# KiCad board st251n_20603.kicad_pcb (continued)
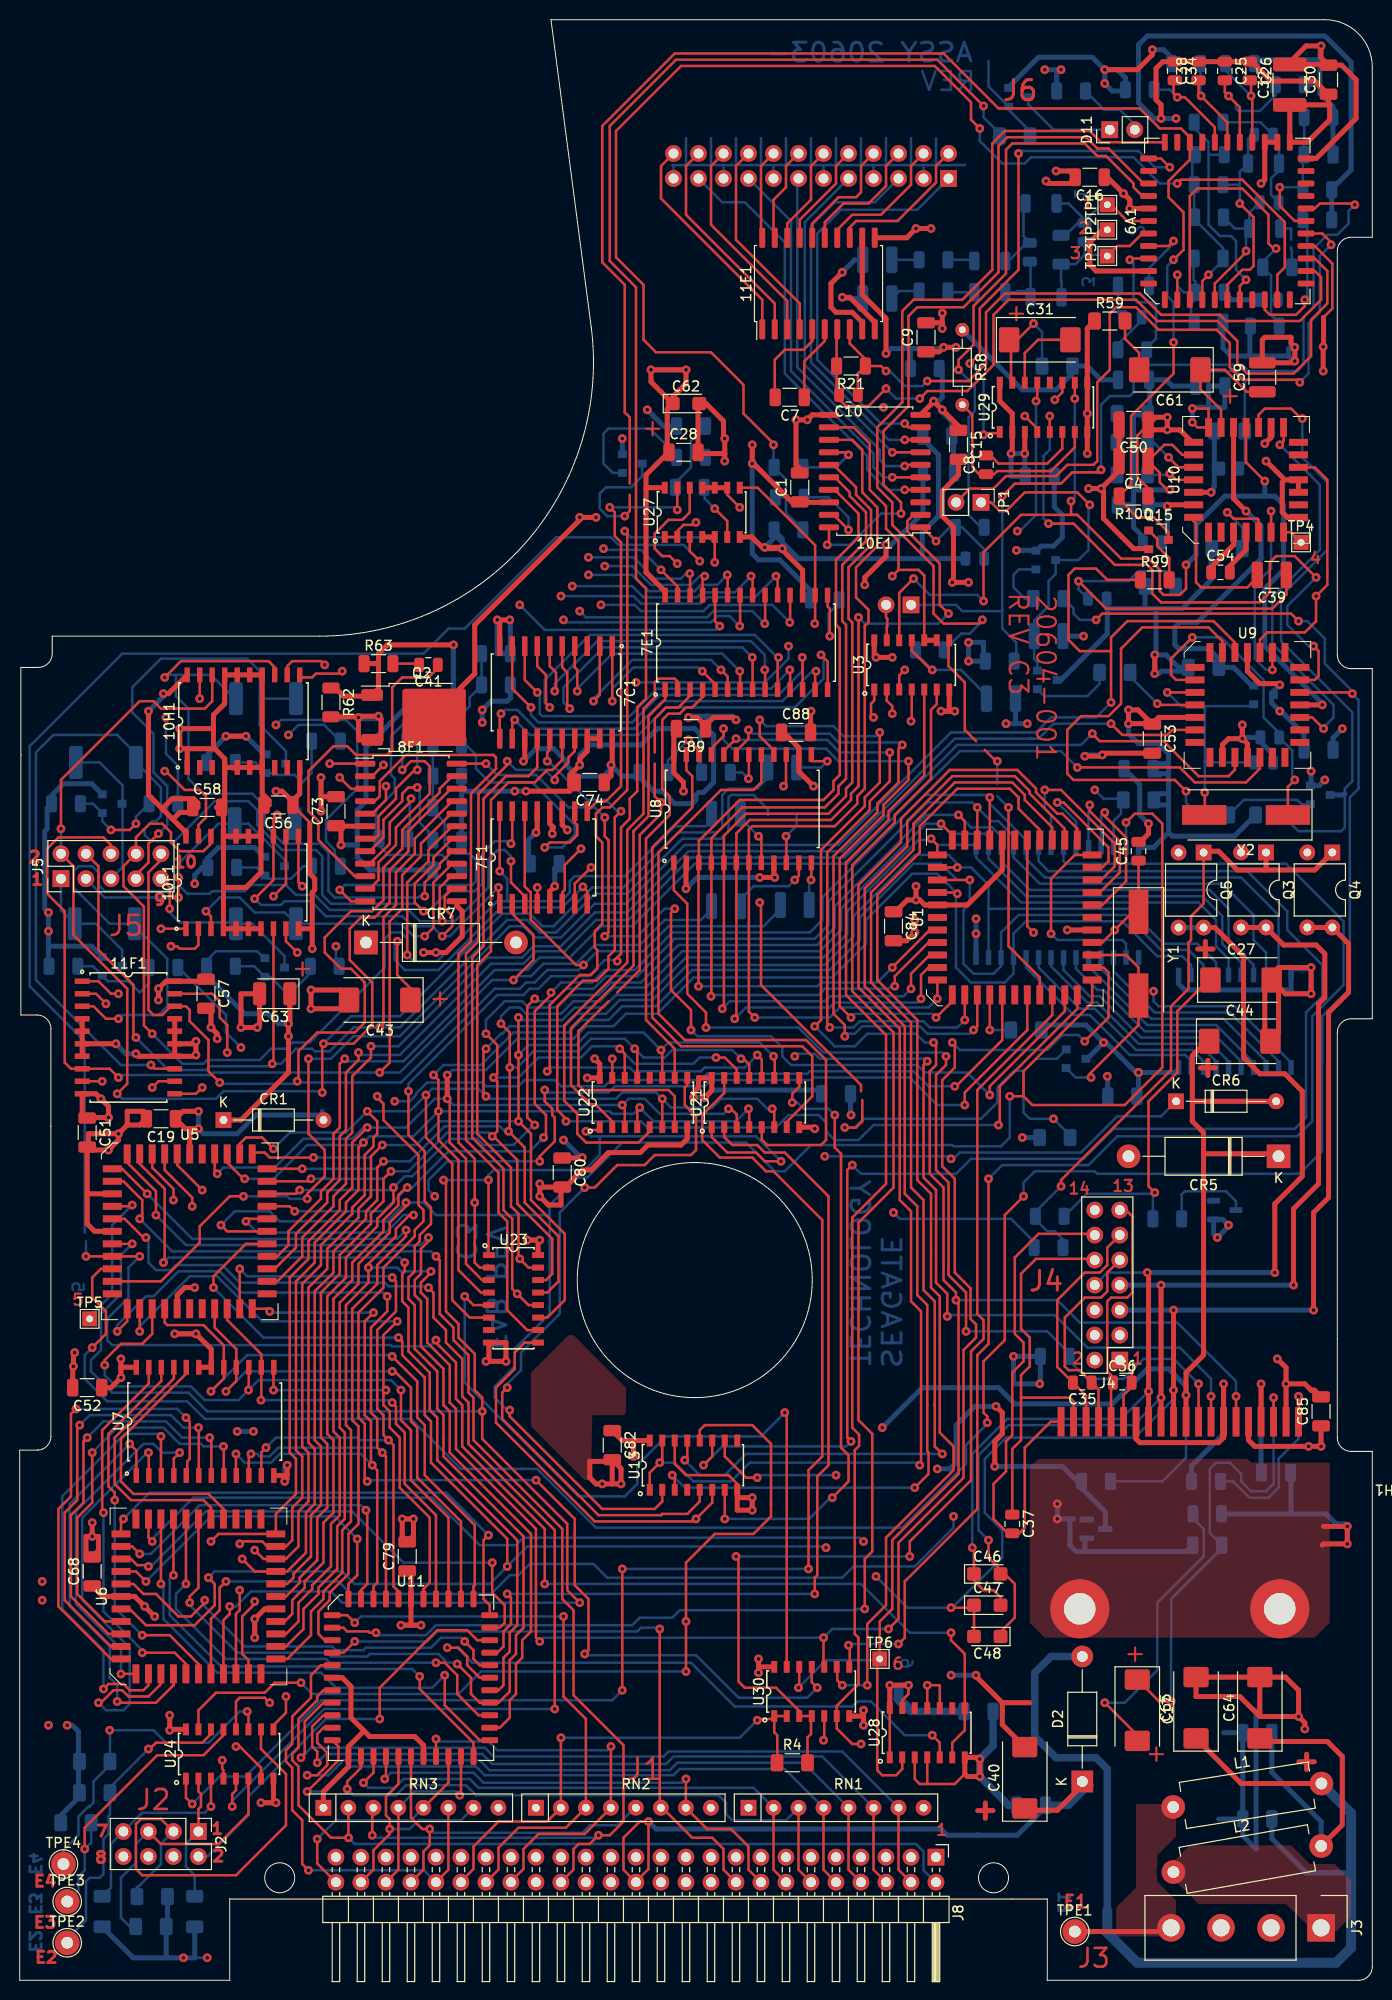
[diagram p0: board, top side]
## Routing (per net, layer and track width the routed paths; a pad name or vN(x,y) marks a point on that pad's centre or on a via; arc(x,y) is an arc through that point) (continued)
  Bottom w0.254: v1(55.88,129.16) 55.25,129.79 55.25,131.32 59.31,135.38 73.41,135.38 v1(74.42,134.37)
MTC+: length 111.7
  Top w0.254: v1(54.36,130.94) 54.48,131.06 54.48,132.84 53.85,133.48 7C1.6 ; 7E1.9 75.73,133.06 v1(75.69,133.1) ; v1(15.37,105.03) 16,105.03 16.26,104.78 17.78,104.78 18.16,105.16 10F1.2
  In1.Cu w0.254: v1(54.36,130.94) 54.74,130.56 54.74,128.78 54.36,128.4 51.56,128.4 50.04,129.92 21.21,129.92 19.69,131.44 13.59,131.44 12.19,130.05 12.19,127.89 13.08,127 13.08,109.47 13.21,109.35 13.21,105.66 13.84,105.03 v1(15.37,105.03)
  Bottom w0.254: v1(75.69,133.1) 75.69,134.62 74.3,136.02 58.67,136.02 54.36,131.7 v1(54.36,130.94)
MTC-: length 104.8
  Top w0.254: 27.05,106.81 27.05,105.54 v1(28.19,104.39) ; v1(53.85,129.29) 53.47,129.67 53.47,132.59 52.58,133.48 7C1.7 ; 7E1.10 77,134.27 v1(77.09,134.37)
  In1.Cu w0.254: v1(28.19,104.39) 28.19,106.68 27.3,107.57 27.3,123.83 30.35,126.87 50.8,126.87 51.69,127.76 55.63,127.76 57.28,129.41 57.28,130.3 57.53,130.56 57.53,132.21 57.15,132.59 54.1,132.59 53.47,131.95 53.47,129.67 v1(53.85,129.29)
  Bottom w0.254: v1(53.85,129.29) 53.34,129.79 53.34,132.08 57.91,136.65 74.68,136.65 76.96,134.37 v1(77.09,134.37)
MTD+: length 118.2
  Top w0.254: 7E1.11 78.27,133.06 v1(78.23,133.1) ; v1(8.76,99.19) 7.75,100.2 6.09,100.2 ; v1(52.58,130.81) 51.31,132.08 7C1.8
  In1.Cu w0.254: v1(8.76,99.19) 8.13,99.82 8.13,109.47 8,109.6 8,128.91 13.21,134.11 19.3,134.11 22.23,131.19 52.2,131.19 v1(52.58,130.81)
  Bottom w0.254: v1(78.23,133.1) 76.33,131.19 64.77,131.19 61.98,128.4 53.09,128.4 52.83,128.65 52.83,130.56 v1(52.58,130.81)
MTD-: length 130.2
  Top w0.254: 7C1.9 50.04,131.19 v1(51.94,129.29) ; v1(79.5,134.37) 79.54,134.33 7E1.12 ; 6.1,91.31 v1(8.38,91.31)
  In1.Cu w0.254: v1(8.38,91.31) 8.38,96.14 9.02,96.77 10.67,96.77 10.92,97.03 10.92,101.85 10.67,102.11 10.67,110.49 10.54,110.62 10.54,130.18 13.72,133.35 18.67,133.35 21.46,130.56 50.67,130.56 v1(51.94,129.29)
  Bottom w0.254: v1(51.94,129.29) 51.94,128.52 52.7,127.76 62.23,127.76 65.02,130.56 77.09,130.56 79.5,132.97 v1(79.5,134.37)
MTE+: length 86.6
  Top w0.254: 7E1.13 80.81,132.88 v1(80.9,132.97) ; v1(25.78,110.11) 27.05,111.38 10F1.12 ; v1(48.89,128.65) 48.77,128.52 7C1.11
  In2.Cu w0.254: v1(48.89,128.65) 49.28,129.03 50.67,129.03 51.18,128.52 51.18,127 49.02,124.84 36.32,124.84 32.51,121.03 30.73,121.03 25.78,116.08 v1(25.78,110.11)
  Bottom w0.254: v1(80.9,132.97) 80.52,132.97 77.47,129.92 65.28,129.92 62.48,127.13 52.45,127.13 50.55,129.03 49.28,129.03 v1(48.89,128.65)
MTE-: length 96.4
  Top w0.254: v1(81.41,134.62) 82.08,133.95 7E1.14 ; 10F1.19 18.16,117.35 18.92,118.11 18.92,120.27 18.29,120.9 16.76,120.9 14.86,122.81 v1(14.73,122.81) ; v1(50.29,128.02) 50.04,127.76 7C1.12
  In2.Cu w0.254: v1(14.73,122.81) 20.07,117.48 26.29,117.48 28.83,120.02 28.83,122.17 32.13,125.48 48.89,125.48 50.17,126.75 50.17,127.89 v1(50.29,128.02)
  Bottom w0.254: v1(81.41,134.62) 81.66,134.37 81.66,132.21 78.74,129.29 65.66,129.29 62.86,126.49 51.82,126.49 v1(50.29,128.02)
MYST1: length 66.4
  Top w0.254: U22.15 v1(60.2,93.6) ; v1(66.8,143.89) 66.04,144.65 65.28,144.65 64.52,145.42 64.52,146.94 65.91,148.34 67.31,148.34 68.07,149.1 U27.12
  In1.Cu w0.254: v1(66.8,143.89) 66.8,138.05 63.63,134.87 63.63,130.18 62.74,129.29 62.74,100.08 60.2,97.54 v1(60.2,93.6)
NRZ: length 132.3
  Top w0.254: v1(34.42,94.23) 34.42,93.47 33.15,92.2 33.15,86.36 32.51,85.73 32.51,81.28 31.24,80.01 31.24,78.99 28.07,75.82 28.07,74.42 25.91,72.26 U5.31 ; v1(108.97,126.62) 109.73,125.86 116.21,125.86 119.76,122.3 122.81,122.3 123.46,122.95 U9.14
  Bottom w0.254: v1(108.97,126.62) 107.82,125.48 95.25,125.48 83.82,114.05 68.2,114.05 61.85,107.7 58.55,107.7 55.37,104.52 52.45,104.52 51.18,103.25 47.88,103.25 38.61,93.98 34.67,93.98 v1(34.42,94.23)
RDREFCLK: length 127.1
  Top w0.254: U5.30 26.16,70.99 28.7,73.53 28.7,75.44 31.88,78.61 31.88,79.63 33.15,80.9 33.15,85.47 33.78,86.11 33.78,91.82 35.69,93.73 v1(35.69,94.87) ; U9.10 117.09,127 116.59,126.49 112.01,126.49 v1(110.87,127.64)
  Bottom w0.254: v1(35.69,94.87) 38.48,94.87 47.5,103.89 51.05,103.89 52.2,105.03 54.99,105.03 58.42,108.46 61.72,108.46 67.95,114.68 83.57,114.68 95,126.11 102.62,126.11 ; 102.62,126.11 102.87,126.11 ; 102.62,126.11 103.5,126.11 105.03,127.64 v1(110.87,127.64)
READ_DATA: length 93
  Top w0.254: v1(109.85,153.42) 109.6,153.16 106.93,153.16 105.79,152.02 101.09,152.02 v1(99.82,150.75) ; v1(135.64,180.34) 135.51,180.47 132.08,180.47 131.57,179.96 6A1.24
  Bottom w0.254: JP2.1 95.12,139.7 95.76,139.06 99.82,139.06 ; 101.25,133.99 101.25,135.86 99.82,137.29 99.82,139.06 ; v1(109.85,153.42) 109.85,160.02 110.74,160.91 112.78,160.91 113.16,161.29 113.16,163.58 113.66,164.08 124.21,164.08 124.84,163.45 129.79,163.45 130.43,164.08 130.43,168.91 131.44,169.93 131.44,175.9 132.84,177.29 133.86,177.29 135,178.44 135,179.71 v1(135.64,180.34) ; 99.82,139.06 v1(99.82,150.75)
RGATE2: length 265.4
  Top w0.254: U9.23 135.25,130.81 v1(135.38,130.68) ; v1(129.92,138.05) 129.16,138.81 109.98,138.81 v1(109.35,138.18) ; v1(7.37,64.26) 8.76,65.66 8.76,67.95 7.37,69.34 7.37,71.37 8.26,72.26 U5.15 ; v1(98.3,56.64) 98.3,57.28 97.92,57.66 97.92,62.87 100.08,65.02 100.08,77.72 v1(101.98,79.63)
  Bottom w0.254: 50.93,51.94 44.83,51.94 39.75,57.02 18.8,57.02 17.02,58.8 8.89,58.8 6.6,61.09 6.6,63.5 v1(7.37,64.26) ; 50.93,51.94 52.58,51.94 58.55,45.97 89.66,45.97 96.14,52.45 96.14,54.36 98.3,56.52 v1(98.3,56.64) ; 50.93,51.94 51.05,51.94 ; R71.2 107.06,139.35 107.06,138.81 107.7,138.18 v1(109.35,138.18) ; v1(129.92,138.05) 130.81,138.05 132.59,136.27 132.59,133.73 135.38,130.94 v1(135.38,130.68) 136.02,130.05 136.02,121.03 135.13,120.14 135.13,100.71 132.33,97.92 132.33,93.34 132.31,93.32 132.31,84.2 130.02,81.92 109.47,81.92 109.22,82.17 103.12,82.17 101.98,81.03 v1(101.98,79.63)
RING: length 98.2
  Top w0.254: v1(68.2,96.52) 68.2,98.55 66.17,100.58 66.17,108.46 v1(66.55,108.84) ; v1(98.55,89.92) 98.55,90.81 106.17,98.43 U1.16 ; v1(59.44,118.11) 59.44,116.21 59.82,115.82 59.82,106.43 v1(59.44,106.05) ; v1(47.37,123.57) 44.4,123.57
  Bottom w0.254: v1(98.55,89.92) 96.27,92.2 91.95,92.2 91.19,92.96 78.36,92.96 77.47,93.85 77.47,94.74 76.33,95.89 68.83,95.89 v1(68.2,96.52) ; v1(47.37,123.57) 48.51,122.43 52.45,122.43 55.75,119.13 58.42,119.13 v1(59.44,118.11) ; v1(59.44,106.05) 62.74,106.05 65.53,108.84 v1(66.55,108.84)
RING_CLK: length 156.7
  Top w0.254: v1(36.32,89.79) 36.32,89.66 36.96,89.03 36.96,87.38 40.51,83.82 40.51,78.74 41.02,78.23 41.02,77.09 40.13,76.2 40.13,75.57 36.96,72.39 36.96,70.36 34.42,67.82 34.42,57.15 35.05,56.52 35.05,50.93 v1(35.31,50.67) ; v1(81.03,29.72) 80.46,30.28 U30.11 ; 8F1.1 v1(31.5,123.57) ; v1(52.45,50.8) 56.39,46.86 56.39,40.13 57.78,38.74 57.78,33.53 v1(57.4,33.15)
  In1.Cu w0.254: v1(31.5,123.57) 32.89,123.57 44.58,111.89 44.58,98.81 36.32,90.55 v1(36.32,89.79)
  Bottom w0.254: v1(52.45,50.8) 35.43,50.8 v1(35.31,50.67) ; v1(81.03,29.72) 80.01,28.7 73.03,28.7 68.71,33.02 57.53,33.02 v1(57.4,33.15)
RIWR1: length 97.5
  Top w0.254: v1(72.64,97.66) 72.81,97.83 U8.6 72.81,116.49 74.17,117.86 82.42,117.86 84.45,119.89 84.45,120.52 85.22,121.29 v1(85.22,138.43) ; v1(94.36,138.81) 93.47,139.7 93.47,143.89 90.17,147.19 90.17,148.21 90.81,148.84 10E1.2 ; U1.5 92.33,102.87 91.57,102.11 v1(91.57,99.7)
  Bottom w0.254: v1(85.22,138.43) 85.85,137.8 93.34,137.8 v1(94.36,138.81) ; v1(72.64,97.66) 73.79,98.81 82.3,98.81 82.8,99.31 91.19,99.31 v1(91.57,99.7)
RIWR2: length 94.9
  Top w0.254: v1(93.22,99.7) 93.23,99.71 U1.6 ; v1(74.68,97.79) 74.08,98.39 U8.7 74.08,116.88 74.42,117.22 82.8,117.22 85.09,119.51 85.09,120.27 85.85,121.03 85.85,137.54 86.23,137.92 86.23,139.19 84.96,140.46 84.96,143.51 87.12,145.67 87.12,149.61 85.6,151.13 85.6,155.45 84.58,156.46 10E1.13
  Bottom w0.254: v1(93.22,99.7) 92.33,98.81 83.31,98.81 82.3,97.79 v1(74.68,97.79)
S0: length 50.4
  Top w0.254: U22.2 60.2,87.25 58.48,88.96 57.98,88.96 56.01,90.93 56.01,96.71 62.36,103.06 62.36,116.71 63.88,118.24 63.88,128.4 65.57,130.08 7E1.1
S1: length 62.3
  Top w0.254: U22.5 64.01,86.23 62.86,85.09 57.53,85.09 56.64,85.98 56.64,88.01 55.32,89.33 55.32,96.98 61.72,103.38 61.72,116.84 63.37,118.49 63.37,129.16 64.52,130.3 64.52,131.83 64.9,132.21 66.55,132.21 66.84,131.92 7E1.2
S2: length 57.2
  Top w0.254: 60.71,100.33 62.99,102.62 62.99,116.33 65.15,118.49 v1(65.15,119.63) 64.52,120.27 64.52,123.57 ; 7E1.3 68.11,130.46 66.93,129.29 65.66,129.29 64.52,128.14 64.52,124.71 ; U22.7 66.55,89.79 65.91,90.42 57.28,90.42 56.77,90.93 56.77,96.39 ; 56.77,96.39 59.82,99.44 ; 56.77,96.39 56.77,96.46
S3: length 44.7
  Top w0.254: U22.10 66.55,94.62 63.63,97.54 63.63,115.95 66.04,118.36 66.04,120.27 65.28,121.03 65.28,128.02 65.91,128.65 67.06,128.65 67.69,129.29 68.33,129.29 69.38,130.34 69.38,131.09
SCSI_PIN: length 93.8
  Top w0.254: U21.2 71.57,85.65 72.39,84.84 74.93,84.84 75.69,84.07 77.72,84.07 82.17,79.63 82.17,52.32 81.03,51.18 81.03,41.15 80.77,40.89 v1(80.77,39.24) ; U11.36 48.51,33.27 49.15,33.91 49.15,35.43 49.91,36.2 49.91,38.86 v1(49.53,39.24)
  Bottom w0.254: v1(80.77,39.24) v1(49.53,39.24)
SERIAL_CLOCK: length 138.8
  Top w0.254: v1(96.01,88.9) 96.01,90.17 102.36,96.52 U1.13 ; v1(53.34,90.42) 53.34,89.28 54.1,88.52 54.1,87.88 54.36,87.63 54.36,85.22 52.83,83.69 v1(52.83,83.19) ; 8F1.3 33.66,121.03 v1(32.51,122.17)
  In1.Cu w0.254: v1(42.16,79.63) 41.78,80.01 41.78,81.66 36.58,86.87 36.58,88.27 35.05,89.79 35.05,92.08 36.07,93.09 37.72,93.09 43.94,99.31 43.94,111.12 32.89,122.17 v1(32.51,122.17)
  Bottom w0.254: v1(53.34,90.42) 53.59,90.17 59.82,90.17 60.45,90.81 69.6,90.81 70.23,91.44 80.39,91.44 80.64,91.69 90.42,91.69 93.22,88.9 v1(96.01,88.9) ; v1(42.16,79.63) 41.53,80.26 41.53,81.28 43.43,83.19 v1(52.83,83.19)
SERIAL_DATA: length 114.4
  Top w0.254: U1.11 99.82,95.5 95.12,90.81 v1(95,90.81) ; v1(36.96,123.44) 35.81,122.3 8F1.2
  In1.Cu w0.254: v1(36.96,123.44) 36.96,122.94 38.35,121.54 38.35,120.02 45.85,112.52 45.85,98.3 38.1,90.55 v1(38.1,89.28)
  Bottom w0.254: v1(38.1,89.28) 39.62,89.28 40.26,89.92 40.26,90.04 41.4,91.19 46.99,91.19 47.37,90.81 50.67,90.81 51.31,91.44 54.36,91.44 54.99,90.81 59.44,90.81 60.07,91.44 69.22,91.44 69.85,92.08 80.01,92.08 80.26,92.33 90.81,92.33 92.33,90.81 v1(95,90.81)
SYS_CLK2: length 62
  Top w0.254: U11.34 46.74,30.73 45.47,32 45.47,32.89 44.58,33.78 v1(43.43,33.78) ; v1(92.71,24.89) 93.47,24.13 U28.5
  Bottom w0.254: v1(92.71,24.89) 89.92,24.89 86.49,28.32 85.09,28.32 84.58,27.81 72.64,27.81 68.2,32.26 45.97,32.26 44.45,33.78 v1(43.43,33.78)
SYS_CLOCK: length 194.2
  Top w0.254: v1(80.77,96.9) 81.41,97.54 81.41,114.81 85.85,119.25 85.85,120.14 87.38,121.67 v1(87.38,126.75) ; U28.2 89.66,21.46 89.03,20.83 87.63,20.83 87.12,21.34 87.12,32.39 TP6.1 87.38,36.45 88.65,37.72 88.65,44.7 95.38,51.44 95.38,68.83 v1(95.12,69.09) 95.12,69.85 93.85,71.12 93.85,80.52 92.46,81.92 92.46,92.33 93.09,92.96 93.09,95 v1(92.84,95.25) ; v1(75.18,128.02) 75.18,126.37 76.62,124.93 U8.16 ; v1(79.12,29.72) 79.19,29.79 U30.12 ; 4H1.6 v1(123.57,59.31)
  Bottom w0.254: v1(92.84,95.25) 91.95,95.25 91.06,96.14 86.11,96.14 84.84,94.87 82.8,94.87 v1(80.77,96.9) ; v1(75.18,128.02) 75.82,127.38 82.68,127.38 83.69,126.37 87,126.37 v1(87.38,126.75) ; v1(123.57,59.31) 123.57,60.83 117.6,66.8 107.7,66.8 105.41,69.09 v1(95.12,69.09) ; v1(79.12,29.72) 81.92,32.51 87.25,32.51 TP6.1
VAA: length 164.8
  Top w0.254: 29.46,117.48 29.46,117.6 27.69,119.38 27.69,119.76
  Top w0.508: R62.2 34.36,128.33 v1(34.42,128.27) ; C63.1 27.45,97.3 v1(27.3,97.16) v1(27.3,95.89) 27.3,92.2 22.48,87.38 20.83,87.38 ; v1(34.42,128.27) 34.54,128.4 v1(36.45,128.4) 36.7,128.14 36.7,125.98 35.81,125.98 35.81,125.99 35.8,125.98 34.42,125.98 v1(34.42,128.27) ; 29.46,117.48 29.46,112.4 29.97,111.89 29.97,110.74 29.72,110.49 29.72,106.81 ; v1(26.04,120.78) 26.67,120.78 27.69,119.76 28.45,120.52 10H1.10 ; 29.72,106.81 v1(29.72,104.78) ; 29.72,106.81 28.32,106.81 ; v1(20.95,126.37) v1(22.99,126.37) ; 9.02,88.77 v1(9.02,87.63) 6.91,87.63 C51.1 6.35,88.09 11F1.10 7.75,90.04 v1(8.26,89.54) 9.02,88.77
  In2.Cu w0.508: v1(36.45,128.4) 46.36,128.4 v1(46.99,127.76) ; v1(34.42,128.27) 32.51,128.27 27.81,123.57 26.92,123.57 26.92,121.67 v1(26.04,120.78)
  Bottom w0.254: Q12.2 24.83,103.82 24.13,104.52 19.94,104.52 18.98,103.57 R38.1
  Bottom w0.508: R52.1 49.85,130.24 49.53,129.92 47.88,129.92 v1(46.99,129.03) v1(46.99,127.76) ; R38.1 18.98,102.05 22.86,98.17 25.27,98.17 26.29,97.16 v1(27.3,97.16) v1(27.3,95.89) ; 8.4,120.46 7.32,121.54 4.45,121.54 3.24,120.33 R20.1 2.79,119.06 2.79,116.97 2.54,116.71 2.54,108.84 v1(2.92,108.46) v1(2.92,106.55) 2.92,105.03 ; Q8.2 7.32,105.03 2.92,105.03 ; v1(9.02,87.63) 9.02,88.77 v1(8.26,89.54) ; v1(34.42,128.27) 34.54,128.14 36.2,128.14 v1(36.45,128.4) ; Q11.2 24.83,124.52 v1(22.99,126.37) v1(20.95,126.37) 18.98,124.39 R37.1 ; 2.92,105.03 2.92,103.06 R14.1 ; Q9.2 24.83,114.11 23.88,115.06 20.19,115.06 19.11,113.98 R17.1 18.54,113.03 17.78,112.27 v1(17.78,111.38)
WDATA_EN: length 6
  Top w0.254: v1(70.61,149.48) 71.88,148.21 U27.6
  Bottom w0.254: v1(70.61,149.48) 69.6,150.5 69.6,151.64
WDATA_IN: length 74.2
  Top w0.254: 6A1.22 132.33,177.42 133.22,176.53 v1(133.22,176.28) ; JP1.2 96.53,151.51 98.93,151.51 100.2,152.78 105.28,152.78 106.43,153.92 109.09,153.92 109.47,154.31 109.47,162.31 110.74,163.58 110.74,169.29 111.38,169.93 113.41,169.93 115.7,167.64 121.59,167.64 122.94,166.29 122.94,163.83 124.21,162.56 129.79,162.56 v1(130.05,162.31)
  Bottom w0.254: v1(130.05,162.31) 130.94,163.19 130.94,168.28 132.08,169.42 132.08,175.13 v1(133.22,176.28)
WGATE2: length 179.1
  Top w0.254: v1(110.87,129.79) 110.87,135 ; 110.87,135 110.87,136.4 112.52,138.05 121.28,138.05 123.46,135.88 U9.2 ; 110.87,135 107.7,135 106.55,136.14 106.55,142.75 107.19,143.38 109.35,143.38 110.49,142.24 R99.1 ; v1(22.73,79.63) 21.34,79.63 18.29,76.58 18.29,74.93 14.35,70.99 U5.16 ; v1(29.21,79.38) 29.21,79.88 30.99,81.66 30.99,84.33 29.34,85.98 v1(29.34,93.6)
  Bottom w0.254: v1(29.21,79.38) 27.43,79.38 27.18,79.63 v1(22.73,79.63) 22.99,79.38 ; v1(29.34,93.6) 31.62,93.6 33.91,95.89 38.61,95.89 49.78,107.06 51.18,107.06 52.32,105.92 54.99,105.92 58.42,109.35 61.59,109.35 67.56,115.32 83.19,115.32 94.61,126.75 103.25,126.75 104.78,128.27 109.35,128.27 v1(110.87,129.79)
~{HDSEL1}: length 90.7
  Top w0.254: 10E1.17 82.8,151.38 85.22,148.97 85.22,146.56 82.93,144.27 82.93,137.67 83.31,137.29 83.31,122.43 82.68,121.79 82.68,120.9 81.66,119.89 73.15,119.89 69,115.73 U8.3 68.96,113.46 v1(68.96,100.97) ; U1.2 92.46,106.68 v1(88.65,102.87)
  Bottom w0.254: v1(88.65,102.87) 87.12,101.35 81.41,101.35 81.03,100.97 v1(68.96,100.97)
~{HDSEL2}: length 92.2
  Top w0.254: U1.3 92.33,105.41 88.9,101.98 v1(88.9,100.97) ; v1(70.23,99.95) 70.27,99.98 U8.4 70.27,115.99 73.41,119.13 81.79,119.13 83.19,120.52 83.19,121.29 83.95,122.05 83.95,137.67 83.57,138.05 83.57,143.76 85.98,146.18 85.98,149.1 84.33,150.75 84.33,151.13 82.8,152.65 10E1.16
  Bottom w0.254: v1(88.9,100.97) 88.52,100.97 88.27,100.71 81.79,100.71 81.15,100.08 70.36,100.08 v1(70.23,99.95)
~{HDSEL4B}: length 93.8
  Top w0.254: U1.4 92.46,104.14 90.55,102.24 v1(90.55,100.71) ; v1(71.37,98.68) 71.54,98.84 U8.5 71.54,116.24 73.79,118.49 82.17,118.49 83.95,120.27 83.95,121.03 84.58,121.67 84.58,137.92 84.2,138.3 84.2,143.51 86.49,145.8 86.49,149.35 84.96,150.88 84.96,151.64 82.68,153.92 10E1.15
  Bottom w0.254: v1(71.37,98.68) 72.14,99.44 81.79,99.44 82.3,99.95 89.79,99.95 v1(90.55,100.71)
~{INDEX_CLEAR}: length 54.8
  Top w0.254: U21.7 77.92,87.2 80.52,89.79 80.52,93.85 79.5,94.87 67.18,94.87 64.26,97.79 64.26,115.06 68.33,119.13 68.33,122.3 67.73,122.9 U8.23
~{INDEX_SYNC}: length 75.2
  Top w0.254: v1(92.2,93.34) 91.82,92.96 91.82,81.53 93.09,80.26 93.09,70.87 94.23,69.72 v1(94.23,67.44) ; 4H1.8 v1(121.03,59.31)
  Bottom w0.254: v1(94.23,67.44) 94.36,67.56 105.16,67.56 108.46,64.26 117.86,64.26 121.03,61.09 v1(121.03,59.31) ; v1(92.2,93.34) 91.95,93.6 81.28,93.6 80.77,94.11 78.99,94.11 v1(78.74,93.85) 78.99,93.6
~{MCU_RD}: length 251
  Top w0.254: v1(22.99,77.09) 23.24,77.34 U5.35 ; v1(41.78,72.01) 41.78,71.88 40.75,70.85 40.75,69.86 41.4,69.22 41.4,64.77 43.69,62.48 43.69,58.67 44.32,58.04 44.32,53.98 52.45,45.85 52.45,34.8 v1(52.83,34.42) ; U1.19 110.11,102.87 110.62,102.36 110.62,97.79 v1(108.2,95.38) ; U6.18 27.18,32.64 29.59,35.05 29.59,37.47 30.86,38.74 30.86,39.5 32.77,41.4 32.77,45.72 33.66,46.61 33.66,55.88 33.15,56.39 33.15,68.58 35.43,70.87 v1(35.43,72.39) 35.43,72.77 38.21,75.55 38.21,76.33 39.61,77.72 v1(40,77.72) ; v1(94.74,95.25) 95,95 95,92.71 93.73,91.44 93.73,82.68 95,81.41 95,71.88 96.6,70.28 96.6,67.18 97.16,66.62 97.16,65.28 95.89,64.01 95.89,51.05 89.28,44.45 89.28,36.7 v1(88.27,35.69) ; v1(81.66,34.8) 81.66,31.91 U30.10
  Bottom w0.254: v1(88.27,35.69) 82.55,35.69 v1(81.66,34.8) 53.21,34.8 v1(52.83,34.42) ; v1(22.99,77.09) 24.13,75.95 37.21,75.95 38.99,77.72 v1(40,77.72) ; v1(41.78,72.01) 38.73,72.01 38.35,72.39 v1(35.43,72.39) ; v1(108.2,95.38) 107.57,96.01 105.92,96.01 104.39,94.49 95.5,94.49 v1(94.74,95.25)
~{MCU_WR}: length 258.9
  Top w0.254: v1(20.45,76.71) 21.08,76.07 U5.34 ; U1.18 108.95,99.3 101.98,92.33 101.98,89.79 ; U13.2 65.28,48.64 64.52,47.88 59.18,47.88 49.78,57.28 v1(49.78,57.91) ; v1(112.4,117.6) 113.28,118.49 115.06,118.49 116.08,117.48 116.08,92.71 112.27,88.9 102.87,88.9 101.98,89.79 ; 101.98,89.79 v1(100.58,89.79) ; v1(39.24,78.99) 39.24,78.61 37.59,76.96 37.59,75.95 34.42,72.77 34.42,70.74 32.51,68.83 32.51,56.13 33.02,55.63 33.02,46.86 32.26,46.1 32.26,41.78 30.35,39.88 30.35,39.24 28.83,37.72 28.83,35.69 27.05,33.91 U6.19
  Bottom w0.254: v1(112.4,117.6) U4.27 ; v1(49.78,57.91) 49.53,57.91 48.26,59.18 48.26,60.33 50.29,62.36 50.29,64.14 53.85,67.69 53.85,78.74 ; v1(20.45,76.71) 21.84,78.11 25.4,78.11 26.42,77.09 37.34,77.09 v1(39.24,78.99) 41.02,78.99 42.29,77.72 53.85,77.72 53.85,78.74 ; v1(100.58,89.79) 100.58,85.6 99.69,84.71 94.87,84.71 94.74,84.84 80.39,84.84 77.72,82.17 76.71,82.17 73.79,85.09 61.21,85.09 57.66,81.53 56.64,81.53 53.85,78.74
~{PARITY_ERR}: length 42.5
  Top w0.254: v1(36.58,26.54) 36.58,29.72 42.42,35.56 45.47,35.56 46.48,34.54 U11.37
  Bottom w0.254: v1(36.58,26.54) 31.12,26.54 23.24,18.67 23.24,16.76 19.05,12.58 18.16,12.58
~{RETRACT2}: length 42.5
  Top w0.254: U27.13 v1(66.8,149.35) ; v1(59.94,149.61) 60.45,149.1 60.45,146.69 61.09,146.05 61.09,121.29 59.56,119.76 58.67,119.76 57.66,118.75 7F1.9
  Bottom w0.254: v1(66.8,149.35) 66.55,149.61 v1(59.94,149.61)
~{RETRACT}: length 51.6
  Top w0.254: v1(97.92,156.97) 98.08,157.14 99.57,157.14 ; v1(101.47,185.55) 101.47,173.74 97.54,169.8 97.54,165.23 v1(96.52,164.21) ; v1(116.84,184.15) 115.95,185.04 114.68,185.04
  Bottom w0.254: v1(116.84,184.15) 115.32,184.15 113.66,185.8 101.73,185.8 v1(101.47,185.55) ; v1(96.52,164.21) 97.92,162.81 v1(97.92,156.97)
~{SRST}: length 108.1
  Top w0.254: U1.15 104.9,98.04 97.28,90.42 97.28,67.69 97.92,67.06 97.92,65.15 96.65,63.88 96.65,50.8 90.42,44.58 v1(90.42,43.05) ; R4.2 80.04,24.66 80.39,25.02 80.39,26.76 U30.4 U30.3 79.19,27.36 76.84,29.72 73.66,29.72 73.03,30.35 73.03,42.8 v1(72.77,43.05)
  Bottom w0.254: v1(72.77,43.05) v1(90.42,43.05)
~{SYSRST}: length 362.8
  Top w0.254: v1(77.34,83.19) 75.69,83.19 74.8,84.07 71.88,84.07 70.3,85.65 U21.1 ; U23.1 47.62,73.7 v1(47.62,81.28) ; v1(102.11,158.88) 103.38,157.61 U29.4 ; U22.1 58.63,86.36 57.91,86.36 57.78,86.23 v1(57.53,86.23) ; 9.41,74.8 v1(11.43,74.8) ; v1(37.21,121.29) 37.21,119.89 35.81,118.49 8F1.5 ; v1(43.05,81.28) 43.31,81.03 43.31,67.95 44.58,66.68 44.58,65.28 46.23,63.63 46.23,59.94 46.99,59.18 v1(46.99,57.79) 46.99,54.99 55.63,46.36 55.63,39.62 v1(56.9,38.35) ; v1(21.34,37.97) 21.34,37.21 20.7,36.58 U6.14
  In1.Cu w0.254: 87.63,159.77 v1(87.76,159.77) 85.6,157.61 85.6,145.54 83.57,143.51 83.57,139.19 80.01,135.64 79.38,135.64 78.61,134.87 78.61,133.99 79.12,133.48 79.12,132.72 78.36,131.95 78.36,125.73 78.61,125.48 78.61,118.62 76.84,116.84 76.84,115.32 77.34,114.81 77.34,94.62 77.47,94.49 77.47,93.22 77.34,93.09 v1(77.34,83.19) ; v1(37.21,121.29) 37.21,120.27 45.34,112.14 45.34,98.55 37.21,90.42 37.21,87.25 43.05,81.41 v1(43.05,81.28)
  In2.Cu w0.254: v1(87.76,159.77) 89.53,159.77 91.44,157.86 97.16,157.86 97.41,158.12 98.17,158.12 98.42,157.86 99.44,157.86 100.46,158.88 v1(102.11,158.88)
  Bottom w0.254: v1(77.34,83.19) 74.8,85.73 58.93,85.73 ; 58.93,85.73 58.93,83.82 57.4,82.3 48.13,82.3 47.62,81.79 v1(47.62,81.28) v1(43.05,81.28) ; 58.93,85.73 58.04,85.73 v1(57.53,86.23) ; v1(21.34,37.97) 21.97,37.97 23.5,39.5 31.62,39.5 32.77,38.35 v1(56.9,38.35) ; v1(46.99,57.79) 19.05,57.79 17.15,59.69 9.4,59.69 7.24,61.85 7.24,62.99 8.26,64.01 8.26,67.69 10.29,69.72 10.29,73.66 v1(11.43,74.8)
~{WAM}/~{AMD}: length 133.1
  Top w0.254: U9.16 126,123.07 124.59,121.67 119.38,121.67 117.86,123.19 v1(107.44,123.19) ; U5.32 26.16,73.53 27.3,74.68 27.3,76.07 30.61,79.38 30.61,80.14 31.88,81.41 31.88,85.98 32.51,86.61 32.51,93.09 v1(33.02,93.6)
  Bottom w0.254: v1(107.44,123.19) 105.79,124.84 95.5,124.84 84.07,113.41 68.58,113.41 62.23,107.06 59.06,107.06 55.88,103.89 52.83,103.89 51.56,102.62 48.26,102.62 38.99,93.34 33.27,93.34 v1(33.02,93.6)
~{WRT_FAULT}: length 37.7
  Top w0.254: 98.04,124.97 99.19,123.83 v1(99.31,123.83) 99.31,124.08 ; U3.8 94.36,136.03 94.36,133.48 96.01,131.83 96.01,127 97.16,125.86 ; U1.14 103.63,101.85 100.46,105.03 v1(100.46,119.13)
  Bottom w0.254: v1(99.31,123.83) 99.31,121.54 ; v1(100.46,119.13) 99.31,120.27
Net-(4H1-RC): length 50.5
  Top w0.254: v1(116.97,28.32) 115.76,28.32 C17.1 ; 4H1.3 v1(127.38,59.18)
  Bottom w0.254: v1(116.97,28.32) 116.97,38.74 122.12,43.89 C18.1 120.9,45.42 120.9,51.94 121.54,52.58 122.94,52.58 124.08,51.44 124.08,50.67 125.09,49.66 126.62,49.66 127.38,50.42 v1(127.38,59.18)
Net-(4H1-VCC): length 195.5
  Top w0.508: v1(54.36,111.12) 53.85,110.62 7F1.5 ; 120.27,83.95 127.63,83.95 CR5.1 ; 120.27,83.95 120.27,63.5 118.49,61.72 118.49,56.73 ; 120.27,83.95 120.27,86.11 119.13,87.25 119.13,93.92 120.84,95.63 ; CR6.2 119.15,89.28
  In2.Cu w0.508: v1(87.63,56.13) 83.19,60.58 83.19,79.25 86.11,82.17 86.11,98.3 81.41,103 66.17,103 61.47,107.7 57.15,107.7 54.36,110.49 v1(54.36,111.12)
  Bottom w0.254: R54.2 116.08,50.67 118.49,53.09 v1(118.49,59.44)
  Bottom w0.508: v1(118.49,59.44) 118.49,60.33 116.71,62.1 114.55,62.1 111,58.55 101.09,58.55 99.44,60.2 91.69,60.2 v1(87.63,56.13) ; C87.1 54.36,112.95 v1(54.36,111.12)
Net-(6A1A-VCTAP): length 59.3
  Top w0.254: v1(95.38,163.58) 95.38,164.59 96.9,166.12 96.9,170.05 100.2,173.36 100.2,185.93 100.84,186.56 108.2,186.56 109.47,185.29 110.36,185.29 113.16,182.5 113.16,182.12 114.05,181.23 6A1.43
  Bottom w0.254: R9.1 97.66,147.57 96.39,148.84 96.39,158.75 97.03,159.39 97.03,161.93 v1(95.38,163.58)
Net-(6A1A-WDATA_IN-): length 15.1
  Top w0.254: v1(128.02,182.12) 128.02,180.21 129.54,178.69 6A1.23
  Bottom w0.254: v1(128.02,182.12) 130.11,182.12 R34.2 130.36,185.31 C78.1 130.49,185.43 R103.1
Net-(6A1A-WRITE_CUR): length 140.8
  Top w0.254: v1(97.54,188.09) 96.65,188.98 96.65,190.75 92.96,194.44 67.18,194.44 60.58,187.83 60.58,175.01 63.37,172.21 63.37,166.62 64.64,165.35 70.23,165.35 73.53,162.05 73.53,159.13 76.58,156.08 v1(76.58,155.96) ; 6A1.16 127.76,173.23 128.52,173.99 128.52,178.56 124.21,182.88 117.98,182.88 v1(117.6,182.5)
  Bottom w0.254: 77.85,150.62 77.85,149.04 R3.1 ; 77.85,150.62 R2.2 ; 77.85,150.62 77.85,152.46 R1.2 76.58,153.73 v1(76.58,155.96) ; v1(117.6,182.5) 115.82,182.5 113.16,185.17 102.74,185.17 102.11,184.53 99.82,184.53 97.54,186.82 v1(97.54,188.09)
Net-(6A1A-~{WRT_FAULT}): length 87.1
  Top w0.254: 6A1.39 109.86,186.69 108.71,187.83 100.08,187.83 98.81,186.56 98.81,173.74 95.76,170.69 90.81,170.69 89.66,169.55 89.66,160.27 87.12,157.73 87.12,151.64 88.65,150.11 88.65,147.83 92.84,143.64 92.84,138.81 93.85,137.8 97.41,137.8 v1(97.79,138.18)
  Bottom w0.254: v1(97.79,138.18) 97.79,138.05 96.52,136.78 95.63,136.78 93.98,135.13 R8.2
Net-(6A1B-+ON): length 13.5
  Top w0.254: v1(112.78,174.75) 112.9,174.88 114.68,174.88
  Bottom w0.254: v1(112.78,174.75) 113.16,174.37 113.16,170.81 113.54,170.43 115.06,170.43 115.44,170.05 115.44,166.75 114.49,165.8 R25.1
Net-(6A1B--ON): length 8.4
  Top w0.254: 6A1.3 116.71,176.15 v1(117.22,176.66)
  Bottom w0.254: L8.1 114.73,173.91 117.22,176.4 v1(117.22,176.66)
Net-(6A1B-DI+): length 15.4
  Top w0.254: 110.24,180.98 112.52,178.69 6A1.1
  Bottom w0.254: L6.2 106.55,180.47 108.2,178.82 C14.1 ; C14.1 107.5,178.5 106.24,177.23 R24.1 ; C14.1 108.2,178.69 109.85,180.34 TP1.1
Net-(6A1B-DI-): length 15
  Top w0.254: 6A1.2 114.05,177.42 112.78,176.15 111.51,176.15 TP3.1
  Bottom w0.254: TP3.1 110.36,175.26 108.2,175.26 ; C14.2 108.2,175.26 ; 108.2,175.26 107.25,174.31 R24.2 105.79,172.59 105.84,172.54 L7.2
Net-(6A1B-DO+): length 12.9
  Top w0.254: 6A1.8 v1(117.6,173.23)
  Bottom w0.254: 119,168.28 119,170.31 119.44,170.75 R28.1 ; 119.83,174.88 119.25,174.31 119.25,172.72 119.44,172.53 R28.1 ; R28.1 118.24,171.45 117.6,172.09 v1(117.6,173.23)
Net-(6A1B-DO-): length 33.6
  Top w0.254: 6A1.9 118.87,181.23 119.63,181.99 124.21,181.99 126.87,179.32 126.87,176.4 127.38,175.9 v1(127.63,175.9)
  Bottom w0.254: v1(127.63,175.9) 126.29,174.55 C24.1 127.13,173.15 127.13,170.69 ; 127.13,170.69 127.82,170.69 ; 127.13,170.69 127.13,169.16 128.14,168.15
Net-(6A1C-+C1): length 17
  Top w0.254: 6A1.10 120.14,172.59 v1(120.78,173.23)
  Bottom w0.254: 119.13,185.55 119.13,182.56 R87.1 119.31,178.88 122.25,175.94 C22.2 122.25,174.7 v1(120.78,173.23)
Net-(6A1C-+C2): length 21.3
  Top w0.254: 6A1.12 122.68,172.21 124.21,173.74 124.97,173.74 125.35,174.12 125.35,179.07 v1(123.95,180.47)
  Bottom w0.254: C67.1 125.22,187.45 124.79,187.02 L10.1 123.95,183.69 123.95,182.37 ; v1(123.95,180.47) 123.95,182.37 ; 123.95,182.37 R87.2
Net-(6A1C--C1): length 14.4
  Top w0.254: 6A1.11 121.41,172.34 124.59,175.51 v1(124.59,175.64)
  Bottom w0.254: v1(124.59,175.64) 124.59,177.93 123.44,177.93 C23.2 ; L9.1 124.92,179.53 C76.2
Net-(6A1C--C2): length 22.8
  Top w0.254: v1(124.59,172.72) 123.95,172.09 6A1.13
  Bottom w0.254: 120.9,185.42 120.78,185.55 120.78,186.69 119.31,188.15 R31.1 ; 120.9,185.42 122.43,185.42 ; 120.9,185.42 120.78,185.29 120.78,178.31 121.92,177.17 123.06,177.17 123.57,176.66 123.57,173.74 v1(124.59,172.72)
Net-(6A1C-TMG1): length 11.2
  Top w0.254: 6A1.35 121.41,188.21 118.36,191.26 v1(117.6,191.26) 117.22,191.64 117.22,192.85 117.35,192.98
  Bottom w0.254: v1(117.6,191.26) 116.84,192.02 R51.1
Net-(6A1C-TMG2): length 10.8
  Top w0.254: 119.76,192.98 119.76,191.64 v1(120.02,191.39) 122.68,188.72 6A1.34
  Bottom w0.254: v1(120.02,191.39) 119.95,191.45 R53.1
Net-(6A1C-TMG3): length 14.3
  Top w0.254: 122.43,192.98 122.43,191.77 v1(122.81,191.39) 123.95,190.25 6A1.33
  Bottom w0.254: v1(122.81,191.39) 123.57,190.63 123.57,190.12 123.82,189.87 125.98,189.87 127.57,191.45 R32.1
Net-(6A1C-TMG4): length 10.9
  Top w0.254: 6A1.32 125.22,191.26 v1(125.09,191.39) 125.09,192.79 124.97,192.91 124.97,192.98
  Bottom w0.254: v1(125.09,191.39) 122.3,194.18 122.3,194.5 R33B1.2
Net-(7F1-CT): length 33.5
  Top w0.254: v1(57.21,111.06) 57.66,110.62 7F1.8 ; C43.1 39.69,100.77 38.35,102.11 v1(38.35,105.54)
  Bottom w0.254: v1(38.35,105.54) 38.1,105.28 38.1,103.63 39.12,102.62 42.55,102.62 48.89,108.97 55.12,108.97 v1(57.21,111.06)
Net-(7F1-DRV): length 77.5
  Top w0.254: 7F1.7 56.39,111.38 v1(58.04,113.03)
  In2.Cu w0.254: v1(88.77,77.98) 87.63,79.12 87.63,99.19 81.92,104.9 66.55,104.9 58.42,113.03 v1(58.04,113.03)
  Bottom w0.254: R66.1 103.06,75 100.71,77.34 89.41,77.34 v1(88.77,77.98)
Net-(7F1-VC): length 86.7
  Top w0.254: 7F1.4 v1(52.58,111)
  In2.Cu w0.254: v1(81.79,83.69) 81.92,83.82 81.92,93.98 73.53,102.36 65.66,102.36 62.86,105.16 58.17,105.16 52.58,110.74 v1(52.58,111)
  Bottom w0.254: v1(81.79,83.69) 94.36,83.69 v1(94.61,83.44) 94.87,83.44 95.5,84.07 107.82,84.07 111.51,87.76 115.95,87.76 CR6.1
